# Altium PCB 22281A_AlarmeFenetre_Recepteur.PcbDoc
Units mm, origin at the board's own origin, x right, y up, seen from the top; angles counter-clockwise.
Board outline 83 x 80 mm, 2 copper layers (Top Layer, Bottom Layer), stack 1.586 mm thick; 29 components, 34 nets, 191 pads, 51 vias.
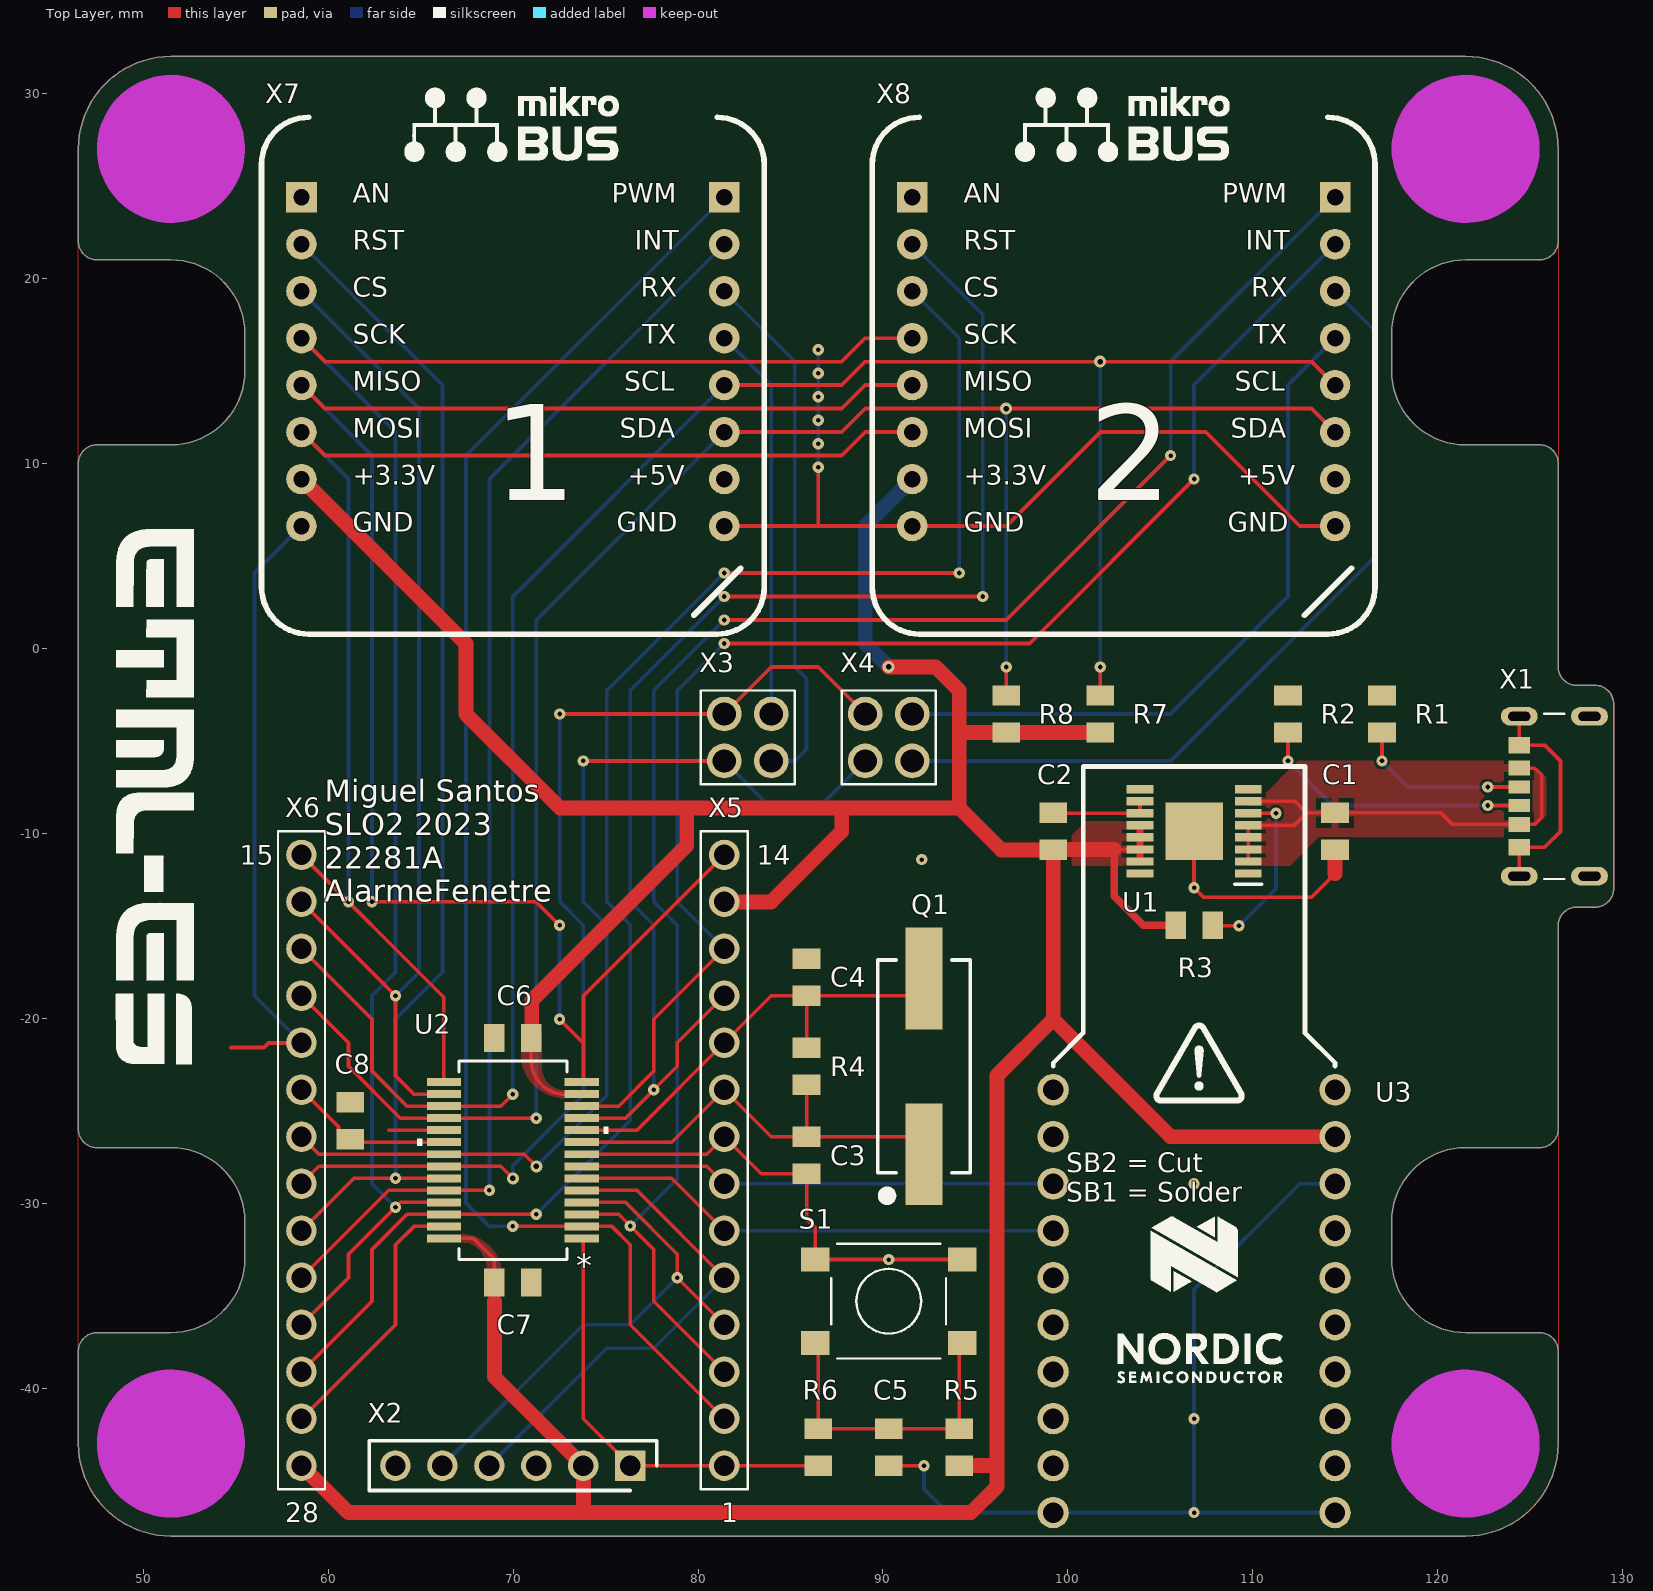
[diagram p0: Top Layer view]
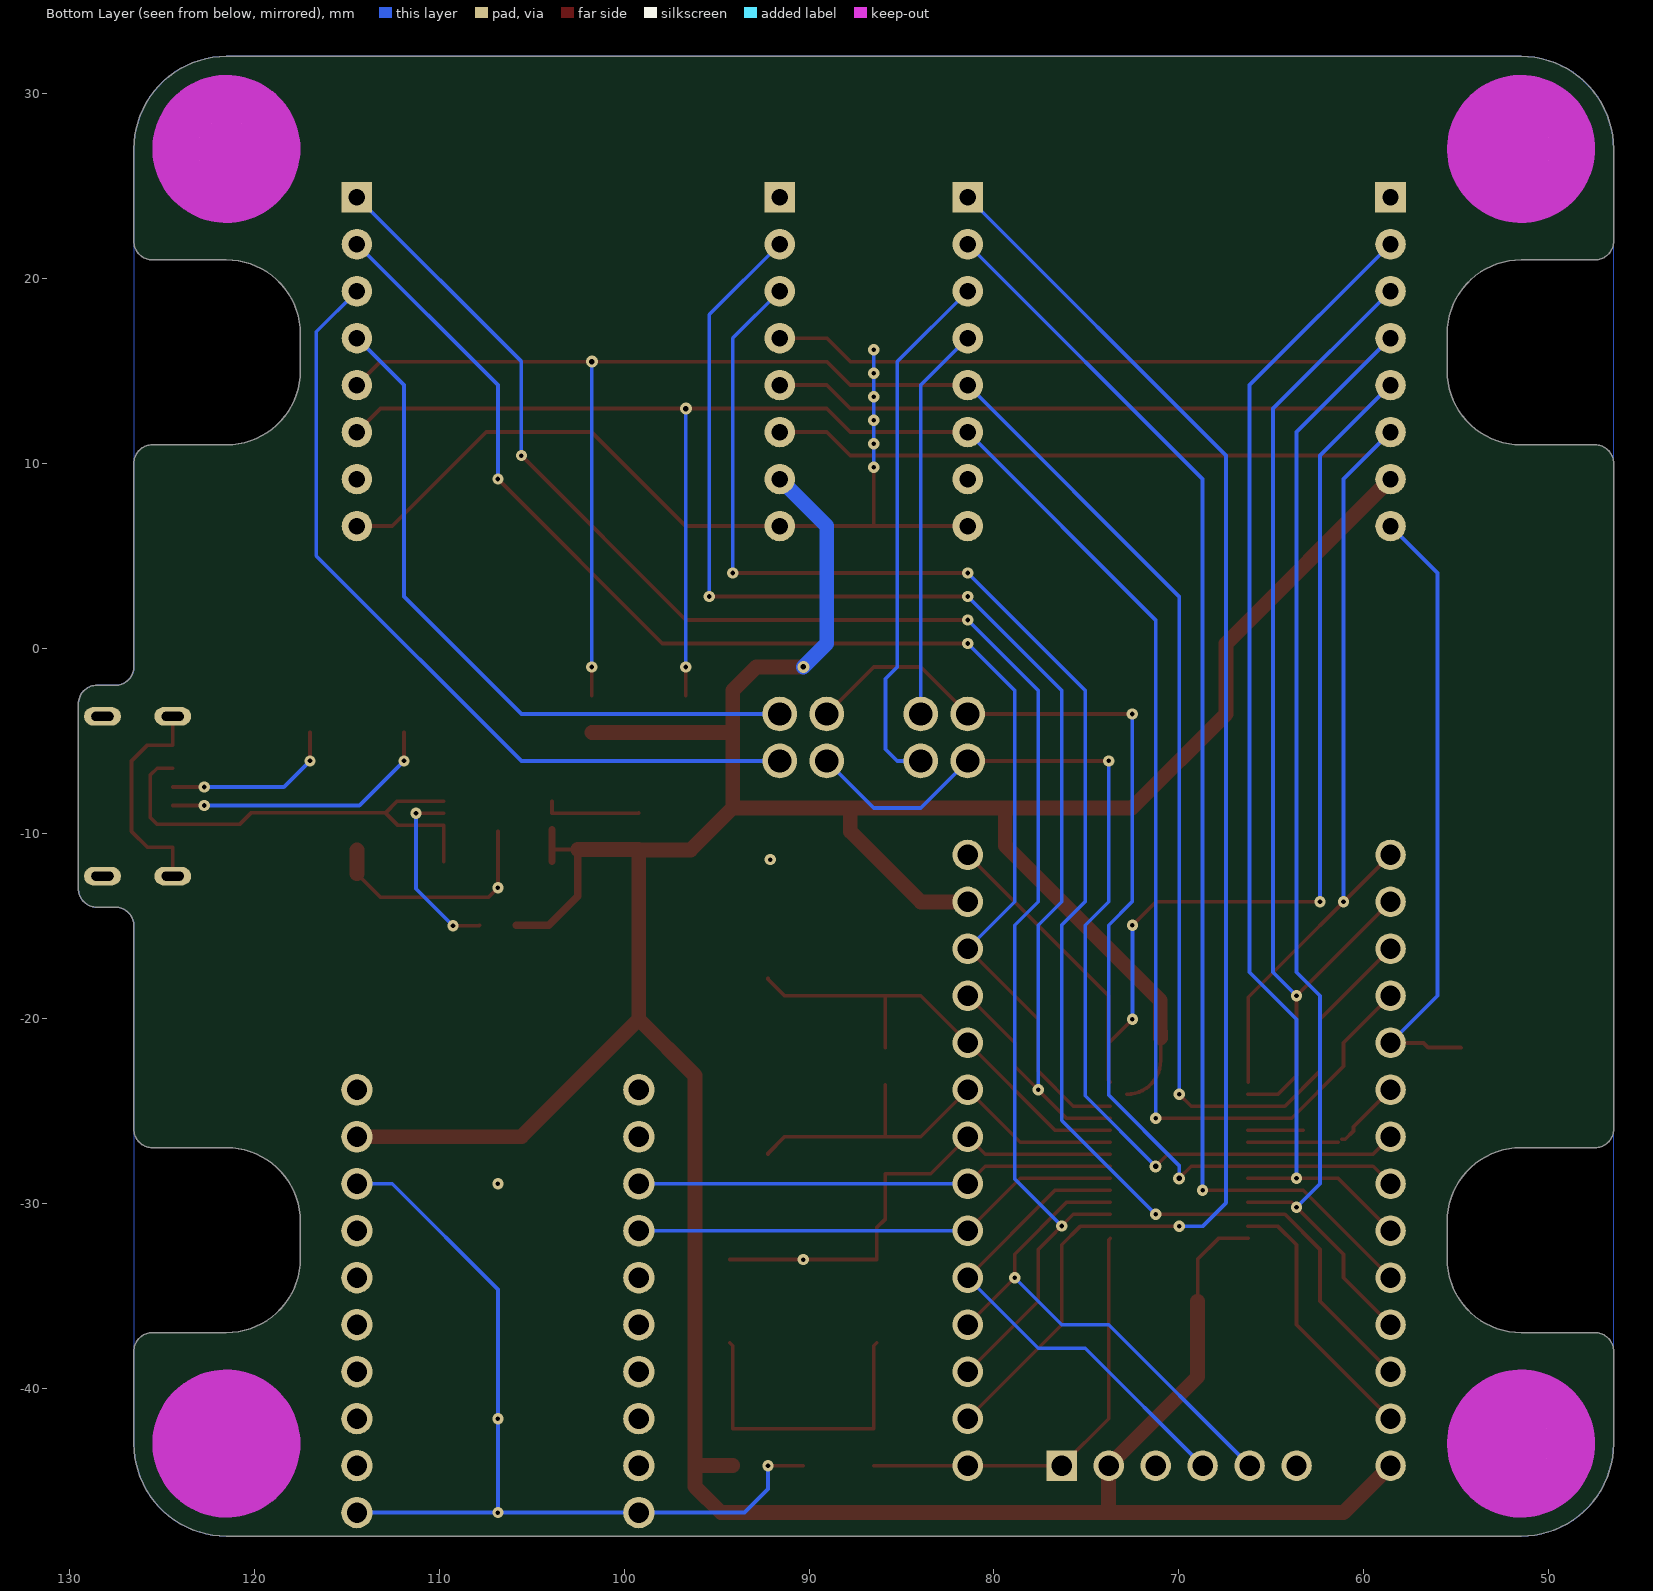
[diagram p1: Bottom Layer view, seen from below]

## Layer stack, top to bottom
Top Solder: solder mask 0.0102, Solder Resist, Dk 3.5
Top Layer: signal copper 0.018
Dielectric1: core 1.55, FR-4, Dk 4.8
Bottom Layer: signal copper 0.018
Bottom Solder: solder mask 0.0102, Solder Resist, Dk 3.5

## Board outline
46.5,-38 cw(c47.5,-38) 47.5,-37 51.5,-37 ccw(c51.5,-33) 55.5,-33 55.5,-31 ccw(c51.5,-31) 51.5,-27 47.5,-27 cw(c47.5,-26) 46.5,-26 46.5,10 cw(c47.5,10) 47.5,11 51.5,11 ccw(c51.5,15) 55.5,15 55.5,17 ccw(c51.5,17) 51.5,21 47.5,21 cw(c47.5,22) 46.5,22 46.5,27 cw(c51.5,27) 51.5,32 121.5,32 cw(c121.5,27) 126.5,27 126.5,22 cw(c125.5,22) 125.5,21 121.5,21 ccw(c121.5,17) 117.5,17 117.5,15 ccw(c121.5,15) 121.5,11 125.5,11 cw(c125.5,10) 126.5,10 126.5,-1 ccw(c127.5,-1) 127.5,-2 128.5,-2 cw(c128.5,-3) 129.5,-3 129.5,-13 cw(c128.5,-13) 128.5,-14 127.5,-14 ccw(c127.5,-15) 126.5,-15 126.5,-26 cw(c125.5,-26) 125.5,-27 121.5,-27 ccw(c121.5,-31) 117.5,-31 117.5,-33 ccw(c121.5,-33) 121.5,-37 125.5,-37 cw(c125.5,-38) 126.5,-38 126.5,-43 cw(c121.5,-43) 121.5,-48 51.5,-48 cw(c51.5,-43) 46.5,-43

## Design rules (kind name [scope] priority, off if disabled: settings)
BoardOutlineClearance [All] p1: gap=0.25 ignorepadtopadclearanceinfootprint=FALSE except(0: Arc-SplitContinuation Track-SplitContinuation SMDPad-SplitContinuation THPad-SplitContinuation Via-SplitContinuation Fill-SplitContinuation Poly-SplitContinuation Region-SplitContinuation Text-SplitContinuation)
Clearance Clearance-xPP-xTP-xTT [All] p1: gap=0.151 ignorepadtopadclearanceinfootprint=FALSE
ComponentClearance [All] p1: gap=0.25 collisioncheckmode=3 verticalgap=0.25 showdistances=FALSE
DiffPairsRouting [All] p1: maxlimit=0.25 minlimit=0.25 mostfreqgap=0.25 toplayer_minwidth=0.381 toplayer_maxwidth=0.381 toplayer_prefwidth=0.381 bottomlayer_minwidth=0.381 bottomlayer_maxwidth=0.381 bottomlayer_prefwidth=0.381 maxuncoupledlength=12.5
Height [All] p1: minheight=0 maxheight=25 prefheight=12.5
HoleSize HoleSize-PTH [All] p1: absolutevalues=TRUE maxlimit=10 minlimit=0.25 maxpercent=80.000 minpercent=20.000
HoleToHoleClearance [All] p1: gap=0.35 allowstackedmicrovias=TRUE
MinimumAnnularRing "Minimum IAR  >0.45mm" [((ObjectKind = 'Pad') OR (ObjectKind = 'Via')) And (Layer = 'MultiLayer') And (HoleDiameter > AsMM(0.45))] p1: minimumring=0.175 // minimum inner annular ring for pads > 0.45mm finished hole size
MinimumAnnularRing "Minimum IAR <=0.45mm" [((ObjectKind = 'Pad') OR (ObjectKind = 'Via')) And (Layer = 'MultiLayer') And (HoleDiameter <= AsMM(0.45))] p2: minimumring=0.175 // minimum inner annular ring for pads <= 0.45mm finished hole size
MinimumSolderMaskSliver [All] p1: minsoldermaskwidth=0.08
PasteMaskExpansion [All] p1: expansion=-0.025
PlaneClearance PlaneClearance-IPI [All] p1: clearance=0.25
PlaneConnect [All] p1: planeconnectstyle=Relief reliefexpansion=0.175 reliefentries=4 reliefconductorwidth=0.2 reliefairgap=0.2
PolygonConnect 3V3_IN_CONNECT [All vs IsNamedPolygon('3V3_L01_P008')] p1: connectstyle=Relief reliefconductorwidth=0.4 reliefentries=4 polygonreliefangle="90 Angle" airgapwidth=0.254
PolygonConnect VBUS_CONNECT [All vs IsNamedPolygon('VBUS_L001')] p2: connectstyle=Relief reliefconductorwidth=0.4 reliefentries=4 polygonreliefangle="90 Angle" airgapwidth=0.254
PolygonConnect uc_3V3_CONNECT [All vs IsNamedPolygon('3V3_L01_P005') Or IsNamedPolygon('3V3_L01_P007')] p3: connectstyle=Direct reliefconductorwidth=0.254 reliefentries=4 polygonreliefangle="90 Angle" airgapwidth=0.254
PolygonConnect GND_VIAS_CONNECT [All vs IsNamedPolygon('GND_TOP') Or IsNamedPolygon('GND')] p4: thpad.connectstyle=Relief thpad.reliefconductorwidth=0.254 thpad.reliefentries=4 thpad.polygonreliefangle="90 Angle" thpad.airgapwidth=0.254 smdpad.connectstyle=Relief smdpad.reliefconductorwidth=0.254 smdpad.reliefentries=4 smdpad.polygonreliefangle="90 Angle" smdpad.airgapwidth=0.254 via.connectstyle=Direct via.reliefconductorwidth=0.254 via.reliefentries=4 via.polygonreliefangle="90 Angle" via.airgapwidth=0.254
PolygonConnect 3V3_UC_CONNECT [All vs IsNamedPolygon('3V3_L01_P005') Or IsNamedPolygon('3V3_L01_P007')] p5: connectstyle=Direct reliefconductorwidth=0.254 reliefentries=4 polygonreliefangle="90 Angle" airgapwidth=0.254
PolygonConnect PolygonConnect-xTW [All] p6: connectstyle=Relief reliefconductorwidth=0.2 reliefentries=4 polygonreliefangle="90 Angle" airgapwidth=0.2
RoutingCorners [All] p1: cornerstyle=45-Degree minsetback=2.5 maxsetback=2.5
RoutingVias RoutingViasES [All] p1: holewidth=0.3 width=0.65 viastyle="Through Hole" minholewidth=0.25 minwidth=0.61 maxholewidth=0.45 maxwidth=0.8 // finishet hole size <= 0.45mm
SilkToSilkClearance [All] p1: silktosilkclearance=0.2
SilkToSolderMaskClearance SilkscreenOverComponentPads [IsPad] p1: minsilkscreentomaskgap=0.2 clearancetoexposedcopper=TRUE
SolderMaskExpansion [All] p1: expansion=0 istentingtop=FALSE
UnRoutedNet [All] p1: checkbadconnections=TRUE
Width Width-xTW [All] p1: maxlimit=1.5 minlimit=0.15 preferedwidth=0.2
17 further rules are at their usual default settings.

## Classes and differential pairs
component class 2228_Recepteur_PIC32: C3 C4 C5 C6 C7 C8 q Q1 R4 R5 R6 R7 R8 S1 X2 X3 X4 X5 X6
component class 2228_Recepteur_MIKROE_NRF: U3 X7 X8
component class 2228_Recepteur_Alimentation: C1 C2 R1 R2 R3 U1 X1

## Components (designator, comment, footprint, x,y, rotation, side; value= is the part's Value field where it differs from the comment)
C1 "CAP_SMD" CAP_0805 114.44,-9.9 r90 top value=4.7µF
C2 "CAP_SMD" CAP_0805 99.2,-9.9 r270 top value=6.8µF
C3 "CAP_SMD" CAP_0805 85.87,-27.41 r270 top value=22pF
C4 "CAP_SMD" CAP_0805 85.87,-17.79 r270 top value=22pF
C5 "CAP_SMD" CAP_0805 90.31,-43.19 r270 top value=100nF
C6 "CAP_SMD" CAP_0805 69.99,-21.076 r180 top value=100nF
C7 "CAP_SMD" CAP_0805 69.99,-34.284 r0 top value=100nF
C8 "CAP_SMD" CAP_0805 61.202,-25.546 r90 top value=10µF
Q1 "8 MHz" LFXTAL003151 92.22,-22.6 r90 top
R1 "RES_SMD" RES_0805 116.982,-3.55 r270 top value=5.1k
R2 "RES_SMD" RES_0805 111.9,-3.55 r270 top value=5.1k
R3 "RES_SMD" RES_0805 106.82,-14.98 r180 top value=100k
R4 "RES_SMD" RES_0805 85.87,-22.6 r270 top value=1M
R5 "RES_SMD" RES_0805 94.12,-43.19 r270 top value=10k
R6 "RES_SMD" RES_0805 86.5,-43.19 r90 top value=1k
R7 "RES_SMD" RES_0805 101.74,-3.55 r270 top value=10k
R8 "RES_SMD" RES_0805 96.66,-3.55 r270 top value=10k
S1 "430182043816" 430182043816 90.31,-35.3 r0 top
U1 "MAX1793EUE33+" SOP65P638X110-17N 106.82,-9.9 r180 top
U2 "PIC32MX130F064B-I/SS" SSOP28_MC_MCH-M 69.99,-27.68 r180 top locked
U3 "NRF52840-DONGLE" NRF52840_DONGLE 106.82,-46.73 r0 top locked
X1 "UJC-HP-3-SMT-TR" CUI_UJC-HP-3-SMT-TR 124.4,-8 r90 top
X2 "6 pins Header" HEADER_6PINS 76.34,-44.19 r180 top
X3 "2X2PIN_HEADER" 2x2_HEADER 82.69,-4.82 r270 top
X4 "2X2PIN_HEADER" 2x2_HEADER 90.31,-4.82 r270 top
X5 "14PIN_HEADER" HEADER_14PINS 81.42,-27.68 r90 top locked
X6 "14PIN_HEADER" HEADER_14PINS 58.56,-27.68 r90 top locked
X7 "MIKROBUS HOST CONN TH 16" "MIKROBUS HOST CONN. TH" 69.99,15.5 r0 top
X8 "MIKROBUS HOST CONN TH 16" "MIKROBUS HOST CONN. TH" 103.01,15.5 r0 top

## Footprints (in the part's own frame and the unit in brackets; to place one, negate y for a bottom-side part, rotate by r counter-clockwise, add the part's x,y. Pads: shape width x height; smd on the part's side, far side on the other; paste and mask are expansions set on the pad)
2x2_HEADER [mm]
  round 1.875 hole 1.25: 1(-1.27,-1.27) 2(-1.27,1.27) 3(1.27,-1.27) 4(1.27,1.27)
  silkscreen extent -2.54,-2.54 2.54,2.54, body extent -2.54,-2.54 2.54,2.54, height 8.54
430182043816 [mm] "6*6mm vertical type, SMD, height 4.3mm, black actuator, 160gf, T&R"
  rect 1.55x1.3 smd: 1(-3.975,2.25) 2(-3.975,-2.25) 3(3.975,2.25) 4(3.975,-2.25)
  silkscreen extent -3.1,-3.1 3.1,3.1, body extent -4.5,-3.1 4.5,3.1, height 4.29
CAP_0805 [mm]
  rect 1.1x1.5 smd: 1(-1,0) 2(1,0)
  body extent -1,-0.63 1,0.63, height 0.81
CUI_UJC-HP-3-SMT-TR [mm]
  rect 0.7x1.15 smd: A5(-0.5,0.005) B5(0.5,0.005)
  rect 0.8x1.15 smd: A9(1.52,0.005) B9(-1.52,0.005)
  rect 0.9x1.15 smd: A12(2.75,0.005) B12(-2.75,0.005)
  oval 1x2 hole 0.5 slot 1.2 at 90 deg: S1(-4.32,0) S2(4.32,0) S3(-4.32,-3.8) S4(4.32,-3.8)
  silkscreen extent -4.47,-2.45 4.47,-1.35, body extent -4.47,-6.38 4.47,0.52, height 0.63
HEADER_6PINS [mm]
  rect 1.65x1.65 hole 1.1: 1(0,0)
  round 1.65 hole 1.1: 2(2.54,0) 3(5.08,0) 4(7.62,0) 5(10.16,0) 6(12.7,0)
  silkscreen extent -1.42,-1.34 14.12,1.35, body extent -1.27,-1.27 13.97,1.27, height 8.69
HEADER_14PINS [mm]
  round 1.65 hole 1.1: 1(-16.51,0) 2(-13.97,0) 3(-11.43,0) 4(-8.89,0) 5(-6.35,0) 6(-3.81,0) 7(-1.27,0) 8(1.27,0) 9(3.81,0) 10(6.35,0) 11(8.89,0) 12(11.43,0) 13(13.97,0) 14(16.51,0)
  silkscreen extent -17.78,-1.27 17.78,1.27, body extent -17.78,-1.27 17.78,1.27, height 8.54
LFXTAL003151 [mm]
  rect 5.5x2 smd paste+0 mask+0: 1(-4.75,0) 2(4.75,0)
  silkscreen extent -7.25,-2.5 5.75,2.5, body extent -6.71,-2.45 6.71,2.45, height 2.9
"MIKROBUS HOST CONN. TH" [mil]
  rect 65x65 hole 35: 1(-450,350) 16(450,350)
  round 65 hole 35: 2(-450,250) 3(-450,150) 4(-450,50) 5(-450,-50) 6(-450,-150) 7(-450,-250) 8(-450,-350) 9(450,-350) 10(450,-250) 11(450,-150) 12(450,-50) 13(450,50) 14(450,150) 15(450,250)
  silkscreen extent -535,-580 535,584, body extent -497,-501 504,401, height 434
NRF52840_DONGLE [mm]
  round 1.7 hole 1.1: 1(-7.62,22.86) 2(-7.62,20.32) 3(-7.62,17.78) 4(-7.62,15.24) 5(-7.62,12.7) 6(-7.62,10.16) 7(-7.62,7.62) 8(-7.62,5.08) 9(-7.62,2.54) 10(-7.62,0) 11(7.62,0) 12(7.62,2.54) 13(7.62,5.08) 14(7.62,7.62) 15(7.62,10.16) 16(7.62,12.7) 17(7.62,15.24) 18(7.62,17.78) 19(7.62,20.32) 20(7.62,22.86)
  silkscreen extent -7.62,7 7.62,40.34, body extent -11,-10 11,40.45, height 15.5
RES_0805 [mm]
  rect 1.1x1.5 smd: 1(-1,0) 2(1,0)
  body extent -1,-0.63 1,0.63, height 0.52
SOP65P638X110-17N [mm]
  rect 3.1x3.1 smd: 0(0,0)
  rect 1.45x0.45 smd: 1(-2.925,2.275) 2(-2.925,1.625) 3(-2.925,0.975) 4(-2.925,0.325) 5(-2.925,-0.325) 6(-2.925,-0.975) 7(-2.925,-1.625) 8(-2.925,-2.275) 9(2.925,-2.275) 10(2.925,-1.625) 11(2.925,-0.975) 12(2.925,-0.325) 13(2.925,0.325) 14(2.925,0.975) 15(2.925,1.625) 16(2.925,2.275)
  silkscreen extent -3.65,2.85 -2.2,2.85, body extent -3.19,-2.5 3.19,2.5, height 1.1
SSOP28_MC_MCH-M [mm]
  rect 1.858x0.431 smd paste+0 mask+0: 1(-3.723,4.225) 2(-3.723,3.575) 3(-3.723,2.925) 4(-3.723,2.275) 5(-3.723,1.625) 6(-3.723,0.975) 7(-3.723,0.325) 8(-3.723,-0.325) 9(-3.723,-0.975) 10(-3.723,-1.625) 11(-3.723,-2.275) 12(-3.723,-2.925) 13(-3.723,-3.575) 14(-3.723,-4.225) 15(3.723,-4.225) 16(3.723,-3.575) 17(3.723,-2.925) 18(3.723,-2.275) 19(3.723,-1.625) 20(3.723,-0.975) 21(3.723,-0.325) 22(3.723,0.325) 23(3.723,0.975) 24(3.723,1.625) 25(3.723,2.275) 26(3.723,2.925) 27(3.723,3.575) 28(3.723,4.225)
  silkscreen extent -5.16,-5.37 5.16,5.37, body extent -4.1,-5.25 4.1,5.25, height 2.01

## Part data
C1 C2 C3 C4 C5 C6 C7 C8: "Ceramic capacitor"
Q1: library part LFXTAL003151, "IQD FREQUENCY PRODUCTS - LFXTAL003151REEL - CRYSTAL, 8MHZ, 16PF, 11.4 X 4.9MM", Arrow Part Number=LFXTAL003151REEL, Manufacturer_Name=IQD, Mouser Part Number=449-LFXTAL003151REEL, Arrow Price/Stock=https://www.arrow.com/en/products/lfxtal003151reel/iqd-frequency-products?region=europe, Datasheet Link=https://www.iqdfrequencyproducts.com/products/pn/LFXTAL003151Reel.pdf, Geometry.Height=4.3mm, Manufacturer_Part_Number=LFXTAL003151REEL, Mouser Price/Stock=https://www.mouser.co.uk/ProductDetail/IQD/LFXTAL003151Reel?qs=e4%2FAndAAwgKt40cosvhepA%3D%3D
S1: library part CMP-1452-00013-1, "WS-TASV SMD Tact Switch 6X6 mm", Manufacturer="Wuerth Elektronik", ComponentLink1Description="Manufacturer URL", ComponentLink1URL=http://www.we-online.com, ComponentLink2Description=Datasheet, ComponentLink2URL=http://katalog.we-online.de/em/datasheet/4301x2.pdf, NoPins=04, PackageReference=430182043816, PartNumber=430182043816
U1: library part MAX1793, Supplier Part Number 1=MAX1793EUE33+-ND, Supplier 1=Digi-Key
U2: Manufacturer=Microchip, Manufacturer_Part_Number=PIC32MX130F064B-I/SS
U3: Manufacturer="Nordic Semiconductor", Manufacturer_Number=NRF52840-DONGLE
X1: library part USB-C_CUI, "Type C, 3 A, Right Angle, Surface Mount (SMT), Power-Only USB Receptacle", Manufacturer="CUI Devices", Manufacturer_Number=UJC-HP-3-SMT-TR
X7 X8: library part "MIKROBUS HOST CONN"

## Free pads (board coordinates)
  round 3.2 hole 3.2 unplated: M3(51.5,-43) M3(51.5,27) M3(121.5,-43) M3(121.5,27)

## Via types
v1: diameter 0.61, hole 0.25, Top Layer to Bottom Layer, 46 vias
v2: diameter 0.65, hole 0.3, Top Layer to Bottom Layer, 5 vias

## Nets (pads, with @x,y where several pads share a name; then routed paths per layer and width w, separated by ;. In a path a pad name is that pad's centre, name@x,y a point inside that pad or via, vN(x,y) a via of type N, cw(c..) or ccw(c..) an arc to the next point about the centre after c; other vN are vias at no path point)
3V3: C2.2 C6.1 C7.1 R3.2 R5.2 R7.2 R8.2 U1.12 U1.13 U1.14 U1.15 U2.13 U2.28 U3.19 X2.2 X5.13 X6.1 X7.7 X8.7 | length 237
  Top Layer w0.2: U2.28 67.865,-31.905 68.99,-33.03 68.99,-35.3 ; C6.1 70.99,-22.291 ccw(c72.812,-22.291) U2.13@72.812,-24.113 ; 102.514,-10.875 U1.14
  Top Layer w0.4: 102.502,-10.875 102.502,-13.404 104.078,-14.98 R3.2 ; U1.15 U1.14 U1.13 103.895,-9.8
  Top Layer w0.8: X6.1 61.1,-46.73 73.8,-46.73 ; X7.7 67.45,0.26 67.45,-3.55 72.53,-8.63 79.388,-8.63 ; 68.99,-35.3 68.99,-39.38 X2.2 73.8,-46.73 ; C6.1@70.993,-21.073 70.993,-20.742 71.009,-20.726 71.009,-19.041 79.388,-10.662 79.388,-8.63 ; X5.13 83.96,-13.71 87.77,-9.9 87.77,-8.63 ; v2(90.31,-1.01) 92.85,-1.01 94.12,-2.28 94.12,-4.55 ; R5.2 96.162,-44.19 ; R7.2 R8.2 94.12,-4.55 ; 102.502,-10.875 99.225,-10.875 C2.2 ; U3.19 105.55,-26.41 99.2,-20.06 ; 73.8,-46.73 94.755,-46.73 96.162,-45.323 96.162,-44.19 ; 79.388,-8.63 87.77,-8.63 ; 87.77,-8.63 94.12,-8.63 ; 94.12,-8.63 96.39,-10.9 C2.2 ; 94.12,-8.63 94.12,-4.55 ; 96.162,-44.19 96.162,-23.098 99.2,-20.06 ; 99.2,-20.06 C2.2
  Bottom Layer w0.8: v2(90.31,-1.01) 89.04,0.26 89.04,6.61 X8.7
CC1: R2.2 X1.A5 | length 15
  Top Layer w0.2: v1(111.9,-6.09) R2.2 ; v1(122.695,-8.5) X1.A5
  Bottom Layer w0.2: v1(111.9,-6.09) 114.31,-8.5 v1(122.695,-8.5)
CC2: R1.2 X1.B5 | length 9.5
  Top Layer w0.2: v1(116.982,-6.09) R1.2 ; v1(122.695,-7.5) X1.B5
  Bottom Layer w0.2: v1@116.98,-6.088 118.392,-7.5 v1(122.695,-7.5)
CS1: U2.16 X6.13 X7.3 | length 55.8
  Top Layer w0.2: X6.13 v1(63.64,-18.79) 63.64,-23.108 64.637,-24.105 U2.16
  Bottom Layer w0.2: X7.3 64.91,12.96 64.91,-17.52 v1(63.64,-18.79)
CS2: U2.26 X6.3 X8.3 | length 86.8
  Top Layer w0.2: X6.3 62.37,-35.3 62.37,-32.506 64.271,-30.605 U2.26 v1(71.26,-30.605) ; v1(81.42,4.07) v1(94.12,4.07)
  Bottom Layer w0.2: v1(71.26,-30.605) 76.34,-25.525 76.34,-14.961 75.07,-13.691 75.07,-2.28 v1(81.42,4.07) ; X8.3 94.12,16.77 v1(94.12,4.07)
GND: C1.1 C2.1 C3.2 C4.1 C5.2 C6.2 C7.2 C8.2 R1.1 R2.1 S1.1 S1.3 U1.0 U1.10 U1.11 U2.8 U2.19 U2.27 U3.10 U3.11 U3.18 X1.A12 X1.B12 X1.S1 X1.S2 X1.S3 X1.S4 X2.3 X5.8 X6.2 X6.10 X7.8 X7.9 X8.8 X8.9 | length 202.6
  Top Layer w0.2: 54.75,-21.6 54.766,-21.584 56.528,-21.584 56.775,-21.337 58.552,-21.337 X6.10 ; X6.2 63.64,-36.57 63.64,-32.252 64.637,-31.255 U2.27 ; 63.285,-26.055 U2.19 ; U2.8 80.475,-27.355 X5.8 83.42,-28.41 C3.2 85.87,-30.855 86.335,-31.32 S1.1 S1.3 ; X7.9 86.5,6.61 ; v1(86.5,9.785) 86.5,6.61 ; C5.2 v1(92.22,-44.19) ; C2.1 99.225,-8.925 U1.11 U1.10 ; U1.0 v1(106.82,-12.948) 107.328,-13.456 113.17,-13.456 114.44,-12.186 ; C1.1 C1.1@114.456,-10.916 ; X8.9 112.535,6.61 107.455,11.69 101.761,11.69 96.681,6.61 X8.8 86.5,6.61 ; X1.S1 124.4,-10.755 X1.B12 125.782,-10.75 126.632,-9.9 126.632,-6.09 125.792,-5.25 X1.A12 124.4,-5.245 X1.S2
  Top Layer w0.8: 114.44,-12.186 C1.1
  Bottom Layer w0.2: X6.10 56.02,-18.79 56.02,4.07 X7.8 ; v1(86.5,9.785) v1(86.5,11.055) v1(86.5,12.325) v1(86.5,13.595) v1(86.5,14.865) v1(86.5,16.135) ; v1(92.22,-44.19) 92.215,-44.195 92.215,-45.46 93.485,-46.73 U3.10 v1(106.82,-46.73) ; U3.11 v1(106.82,-46.73) ; U3.18 112.535,-28.95 106.82,-34.665 v1(106.82,-46.73)
  other v1: 106.82,-41.65 90.31,-33.05 106.82,-28.95 92.088,-11.424
INT1: U2.24 X6.5 X7.15 | length 68.5
  Top Layer w0.18: X6.5 63.285,-29.305 U2.24
  Top Layer w0.2: U2.24 v1(68.72,-29.305)
  Bottom Layer w0.2: v1(68.72,-29.305) 68.72,9.15 X7.15
INT2: U2.12 X5.12 X8.15 | length 76.4
  Top Layer w0.2: U2.12 75.709,-24.755 77.61,-22.854 77.61,-20.06 78.88,-18.79 X5.12 ; v1(81.42,0.26) 97.93,0.26 v1(106.82,9.15)
  Bottom Layer w0.2: X5.12 78.88,-13.71 78.88,-2.28 v1(81.42,0.26) ; v1(106.82,9.15) 106.82,14.23 X8.15
MCLR: R6.1 U2.1 X2.1 X5.1 | length 23.5
  Top Layer w0.2: U2.1 73.8,-31.992 73.8,-41.65 X2.1 X5.1 R6.1
OSC1: C3.1 Q1.1 R4.2 U2.9 X5.9 | length 24
  Top Layer w0.2: U2.9 78.585,-26.705 X5.9 83.96,-26.41 C3.1 ; R4.2 C3.1 ; Q1.1 92.22,-27.31 91.32,-26.41 C3.1
OSC2: C4.2 Q1.2 R4.1 U2.10 X5.10 | length 24.7
  Top Layer w0.2: U2.10 76.695,-26.055 X5.10 83.96,-18.79 C4.2 ; R4.1 C4.2 ; Q1.2 92.22,-17.89 91.32,-18.79 C4.2
PBTN: C5.1 R5.1 R6.2 S1.2 S1.4 | length 17
  Top Layer w0.2: S1.2 86.5,-37.715 R6.2 C5.1 R5.1 94.12,-37.715 S1.4
PGEC1: U2.5 X2.4 X5.5 | length 26.6
  Top Layer w0.2: U2.5 76.695,-29.305 X5.5
  Bottom Layer w0.2: X2.4 75.07,-37.84 77.61,-37.84 X5.5
PGED1: U2.4 X2.5 X5.4 | length 28.1
  Top Layer w0.2: U2.4 76.075,-29.955 78.88,-32.76 v1(78.88,-34.03) X5.4
  Bottom Layer w0.2: X2.5 73.8,-36.57 76.34,-36.57 v1(78.88,-34.03)
PWM1: U2.2 X5.2 X7.16 | length 81.5
  Top Layer w0.2: v1(69.99,-31.255) U2.2 75.343,-31.255 76.34,-32.252 76.34,-36.57 X5.2
  Bottom Layer w0.2: v1(69.99,-31.255) 68.72,-31.255 67.45,-29.985 67.45,10.42 X7.16
PWM2: U2.3 X5.3 X8.16 | length 94.3
  Top Layer w0.2: U2.3 75.709,-30.605 77.61,-32.506 77.61,-35.3 X5.3 ; v1(81.42,1.53) 96.66,1.53 v1(105.55,10.42)
  Bottom Layer w0.2: v1(76.34,-31.236) 78.88,-28.696 78.88,-14.98 77.61,-13.71 77.61,-2.28 v1(81.42,1.53) ; v1(105.55,10.42) 105.55,15.5 X8.16
RST: R3.1 U1.6 | length 9.8
  Top Layer w0.2: R3.1 107.84,-15 v1(109.25,-15) ; U1.6 v1(111.25,-8.925)
  Bottom Layer w0.2: v1(109.25,-15) 111.25,-13 v1(111.25,-8.925)
RST1: U2.23 X6.6 X7.2 | length 63.6
  Top Layer w0.2: X6.6 61.395,-28.655 v1(63.64,-28.655) U2.23
  Bottom Layer w0.2: X7.2 66.18,14.23 66.18,-17.52 63.64,-20.06 v1(63.64,-28.655)
RST2: U2.11 X5.11 X8.2 | length 75.1
  Top Layer w0.2: U2.11 76.075,-25.405 78.88,-22.6 78.88,-21.33 X5.11 ; v1(81.42,2.8) v1(95.39,2.8)
  Bottom Layer w0.2: v1(77.61,-23.87) 77.61,-14.98 76.34,-13.71 76.34,-2.28 v1(81.42,2.8) ; X8.2 95.39,18.04 v1(95.39,2.8)
RX1: U2.6 U3.4 X5.6 | length 26.7
  Top Layer w0.2: U2.6 78.585,-28.655 X5.6
  Bottom Layer w0.2: X5.6 U3.4
RX2: U2.22 X3.1 X4.1 X6.7 | length 57.9
  Top Layer w0.18: X6.7 59.505,-28.005 U2.22
  Top Layer w0.2: U2.22 69.34,-28.005 v2(69.99,-28.655) ; v1(72.53,-3.55) X3.1 83.96,-1.01 86.5,-1.01 X4.1
  Bottom Layer w0.2: v2(69.99,-28.655) 69.99,-27.96 73.8,-24.15 73.8,-14.98 72.53,-13.71 v1(72.53,-3.55)
RX2A: X3.2 X7.13 | length 21.4
  Bottom Layer w0.2: X7.13 83.96,14.23 X3.2
RX2B: X4.2 X8.13 | length 38
  Bottom Layer w0.2: X4.2 105.55,-3.55 111.9,2.8 111.9,14.23 X8.13
SCK1: U2.25 X6.4 X7.4 X8.4 | length 95.4
  Top Layer w0.2: X6.4 61.1,-34.03 61.1,-32.76 v1(63.64,-30.22) 63.905,-29.955 U2.25 ; X7.4 59.83,15.5 87.77,15.5 89.04,16.77 X8.4
  Bottom Layer w0.2: X7.4 63.64,11.69 63.64,-17.52 62.37,-18.79 62.37,-28.95 v1(63.64,-30.22)
SCL1: R7.1 U2.17 X6.12 X7.12 X8.12 | length 112.1
  Top Layer w0.2: X6.12 62.37,-20.06 62.37,-22.854 64.271,-24.755 69.34,-24.755 v1(69.99,-24.105) ; X7.12 87.77,14.23 89.04,15.5 v2(101.74,15.5) 113.17,15.5 X8.12 ; R7.1 v1(101.74,-1.01)
  Bottom Layer w0.2: v1(69.99,-24.105) 69.99,2.8 X7.12 ; v1(101.74,-1.01) v2(101.74,15.5)
SDA1: R8.1 U2.18 X6.11 X7.11 X8.11 | length 107.1
  Top Layer w0.2: X6.11 61.1,-21.33 61.1,-22.6 63.905,-25.405 U2.18 v1(71.26,-25.405) ; X7.11 87.77,11.69 89.04,12.96 v2(96.66,12.96) 113.17,12.96 X8.11 ; R8.1 v1(96.66,-1.01)
  Bottom Layer w0.2: v1(71.26,-25.405) 71.26,-12.44 71.26,1.53 X7.11 ; v1(96.66,-1.01) v2(96.66,12.96)
SDI1: U2.14 X5.14 X7.5 X8.5 | length 96.6
  Top Layer w0.2: X7.5 59.83,12.96 87.77,12.96 89.04,14.23 X8.5 ; v1(62.37,-13.71) 71.245,-13.71 v1(72.515,-14.98) ; v1(72.515,-20.06) 73.792,-21.337 73.807,-21.337 ; U2.14 73.807,-23.361 73.807,-21.337 ; X5.14 73.807,-18.783 73.807,-21.337
  Bottom Layer w0.2: X7.5 62.37,10.42 v1(62.37,-13.71) ; v1(72.515,-20.06) v1(72.515,-14.98)
SDO1: U2.15 X6.14 X7.6 X8.6 | length 76
  Top Layer w0.2: X6.14 66.258,-18.868 U2.15@66.258,-23.446 ; X7.6 59.83,10.42 87.77,10.42 89.04,11.69 X8.6
  Bottom Layer w0.2: X7.6 61.1,9.15 v1(61.1,-13.71)
TX1: U2.7 U3.3 X5.7 | length 25.9
  Top Layer w0.2: U2.7 80.475,-28.005 X5.7
  Bottom Layer w0.2: X5.7 U3.3
TX2: U2.21 X3.3 X4.3 X6.8 | length 54.7
  Top Layer w0.2: X6.8 59.505,-27.355 U2.21 70.61,-27.355 v2(71.26,-28.005) ; v1(73.8,-6.09) X3.3
  Bottom Layer w0.2: v2(71.26,-28.005) 75.07,-24.195 75.07,-14.98 73.8,-13.71 v1(73.8,-6.09) ; X3.3 83.96,-8.63 86.5,-8.63 X4.3
TX2A: X3.4 X7.14 | length 28.8
  Bottom Layer w0.2: X7.14 85.23,15.5 85.23,-1.01 85.865,-1.645 85.865,-5.455 85.23,-6.09 X3.4
TX2B: X4.4 X8.14 | length 44.9
  Bottom Layer w0.2: X4.4 105.55,-6.09 116.635,4.995 116.635,17.115 X8.14
VBUS: C1.2 U1.2 U1.3 U1.4 U1.5 U1.7 X1.A9 X1.B9 | length 25.6
  Top Layer w0.2: U1.2 U1.3 U1.4 U1.5 112.225,-9.575 112.9,-8.9 ; U1.7 112.275,-8.275 112.9,-8.9 ; X1.A9 125.244,-6.48 125.616,-6.852 125.616,-9.148 125.244,-9.52 120.79,-9.52 120.17,-8.9 112.9,-8.9
VCAP: C8.1 U2.20 X6.9 | length 8.8
  Top Layer w0.2: X6.9 60.557,-25.867 60.557,-26.096 61.007,-26.546 C8.1 ; C8.1@61.395,-26.705 U2.20
pads on no net: U1.1 U1.8 U1.9 U1.16 U3.1 U3.2 U3.5 U3.6 U3.7 U3.8 U3.9 U3.12 U3.13 U3.14 U3.15 U3.16 U3.17 U3.20 X2.6 X7.1 X7.10 X8.1 X8.10

## Polygon pours and split planes (outlines as drawn)
VBUS on Top Layer "VBUS_L001" (solid, remove dead copper, pour order 1): 113.551,-10.205 123.529,-10.205 123.838,-9.92 124.97,-9.92 125.87,-9.02 125.87,-6.98 124.97,-6.08 112.44,-6.08 110.47,-8.05 109.02,-8.05 109.02,-11.75 112.006,-11.75
GND on Top Layer "GND_TOP" (solid, remove dead copper, shelved, pour order 9): 51.5,-48 cw(c51.5,-43) 46.5,-43 46.5,27 cw(c51.5,27) 51.5,32 121.5,32 cw(c121.5,27) 126.5,27 126.5,-1 ccw(c127.5,-1) 127.5,-2 128.5,-2 cw(c128.5,-3) 129.5,-3 129.5,-13 cw(c128.5,-13) 128.5,-14 127.5,-14 ccw(c127.5,-15) 126.5,-15 126.5,-43 cw(c121.5,-43) 121.5,-48
3V3 on Top Layer "3V3_L01_P005" (solid, pour order 5): 68.59,-33.893 68.59,-33.515 ccw(c67.196,-33.515) 67.196,-32.12 67.196,-31.689 cw(c67.196,-33.893) 69.4,-33.893
3V3 on Top Layer "3V3_L01_P007" (solid, pour order 7): 70.44,-20.81 70.44,-21.976 ccw(c72.784,-21.976) 72.784,-24.32 72.784,-23.889 cw(c72.784,-22.645) 71.54,-22.645 71.54,-20.81
3V3 on Top Layer "3V3_L01_P008" (solid, pour order 8): 99.95,-10.35 100.95,-9.35 104.62,-9.35 104.62,-11.75 100.25,-11.75 99.95,-11.45
GND on Bottom Layer "GND" (solid, remove dead copper, shelved, pour order 0): 51.5,-48 cw(c51.5,-43) 46.5,-43 46.5,27 cw(c51.5,27) 51.5,32 121.5,32 cw(c121.5,27) 126.5,27 126.5,-1 ccw(c127.5,-1) 127.5,-2 128.5,-2 cw(c128.5,-3) 129.5,-3 129.5,-13 cw(c128.5,-13) 128.5,-14 127.5,-14 ccw(c127.5,-15) 126.5,-15 126.5,-43 cw(c121.5,-43) 121.5,-48

## Keep-outs
Keep-Out Layer:
  circle w4: c51.5,27 r2
  circle w4: c51.5,-43 r2
  circle w4: c121.5,27 r2
  circle w4: c121.5,-43 r2

## Silkscreen, mask and mechanical layers (free items; w line width, h text height)
Top Overlay:
  drawing of 15 lines, arcs and shapes, not listed
  text "15" at 55.233,-11.695 h1.05
  text "14" at 83.173,-11.695 h1.05
  text "Miguel Santos / SLO2 2023 / 22281A / AlarmeFenetre" at 59.83,-13.71 h1.2
  text "SB2 = Cut / SB1 = Solder" at 99.908,-29.915 h1.05
  text "28" at 57.685,-47.255 h1.05
  text "1" at 81.245,-47.255 h1.05
Board Outline (ES):
  the board outline again, w0.4

## Dimensions
121.5,27 to 128.5,33.5 on Top Dims
47.5,22 to 45.5,19.5 on Top Dims
47.5,-27 to 47.5,11 on Top Dims
55.5,17 to 55.5,15 on Top Dims
51.5,-31 to 50,-32.5 on Top Dims
47.5,-37 to 47.5,-27 on Top Dims
129.5,-13 to 126.5,-15 on Top Dims
121.5,-48 to 121.5,32 on Top Dims
46.5,-43 to 126.5,-43 on Top Dims

## Text inside footprints (layer, text, board x,y; h text height)
U2: Top Overlay "*" at 74.285,-32.209 h1.27 r180; Components Bodies "*" at 72.72,-31.579 h1.27 r180
X7: Top Overlay "1" at 68.941,6.29 h8.89; Top Overlay "PWM" at 75.325,23.724 h1.78; Top Overlay "AN" at 61.335,23.724 h1.78; Top Overlay "+5V" at 76.194,8.484 h1.78; Top Overlay "GND" at 75.61,5.944 h1.78; Top Overlay "TX" at 76.986,16.104 h1.78; Top Overlay "RX" at 76.897,18.644 h1.78; Top Overlay "INT" at 76.588,21.184 h1.78; Top Overlay "SCL" at 76.003,13.564 h1.78; Top Overlay "GND" at 61.335,5.944 h1.78; Top Overlay "+3.3V" at 61.335,8.484 h1.78; Top Overlay "MOSI" at 61.335,11.024 h1.78; Top Overlay "SCK" at 61.335,16.104 h1.78; Top Overlay "MISO" at 61.335,13.564 h1.78; Top Overlay "CS" at 61.335,18.644 h1.78; Top Overlay "RST" at 61.335,21.184 h1.78; Top Overlay "SDA" at 75.77,11.024 h1.78
X8: Top Overlay "SDA" at 108.79,11.024 h1.78; Top Overlay "RST" at 94.355,21.184 h1.78; Top Overlay "CS" at 94.355,18.644 h1.78; Top Overlay "MISO" at 94.355,13.564 h1.78; Top Overlay "SCK" at 94.355,16.104 h1.78; Top Overlay "MOSI" at 94.355,11.024 h1.78; Top Overlay "+3.3V" at 94.355,8.484 h1.78; Top Overlay "GND" at 94.355,5.944 h1.78; Top Overlay "SCL" at 109.023,13.564 h1.78; Top Overlay "INT" at 109.608,21.184 h1.78; Top Overlay "RX" at 109.917,18.644 h1.78; Top Overlay "TX" at 110.006,16.104 h1.78; Top Overlay "GND" at 108.63,5.944 h1.78; Top Overlay "+5V" at 109.214,8.484 h1.78; Top Overlay "AN" at 94.355,23.724 h1.78; Top Overlay "PWM" at 108.345,23.724 h1.78; Top Overlay "2" at 101.113,6.29 h8.89